# Altium PCB Drive_Foc.PcbDoc (part 1 of 3) (continued)
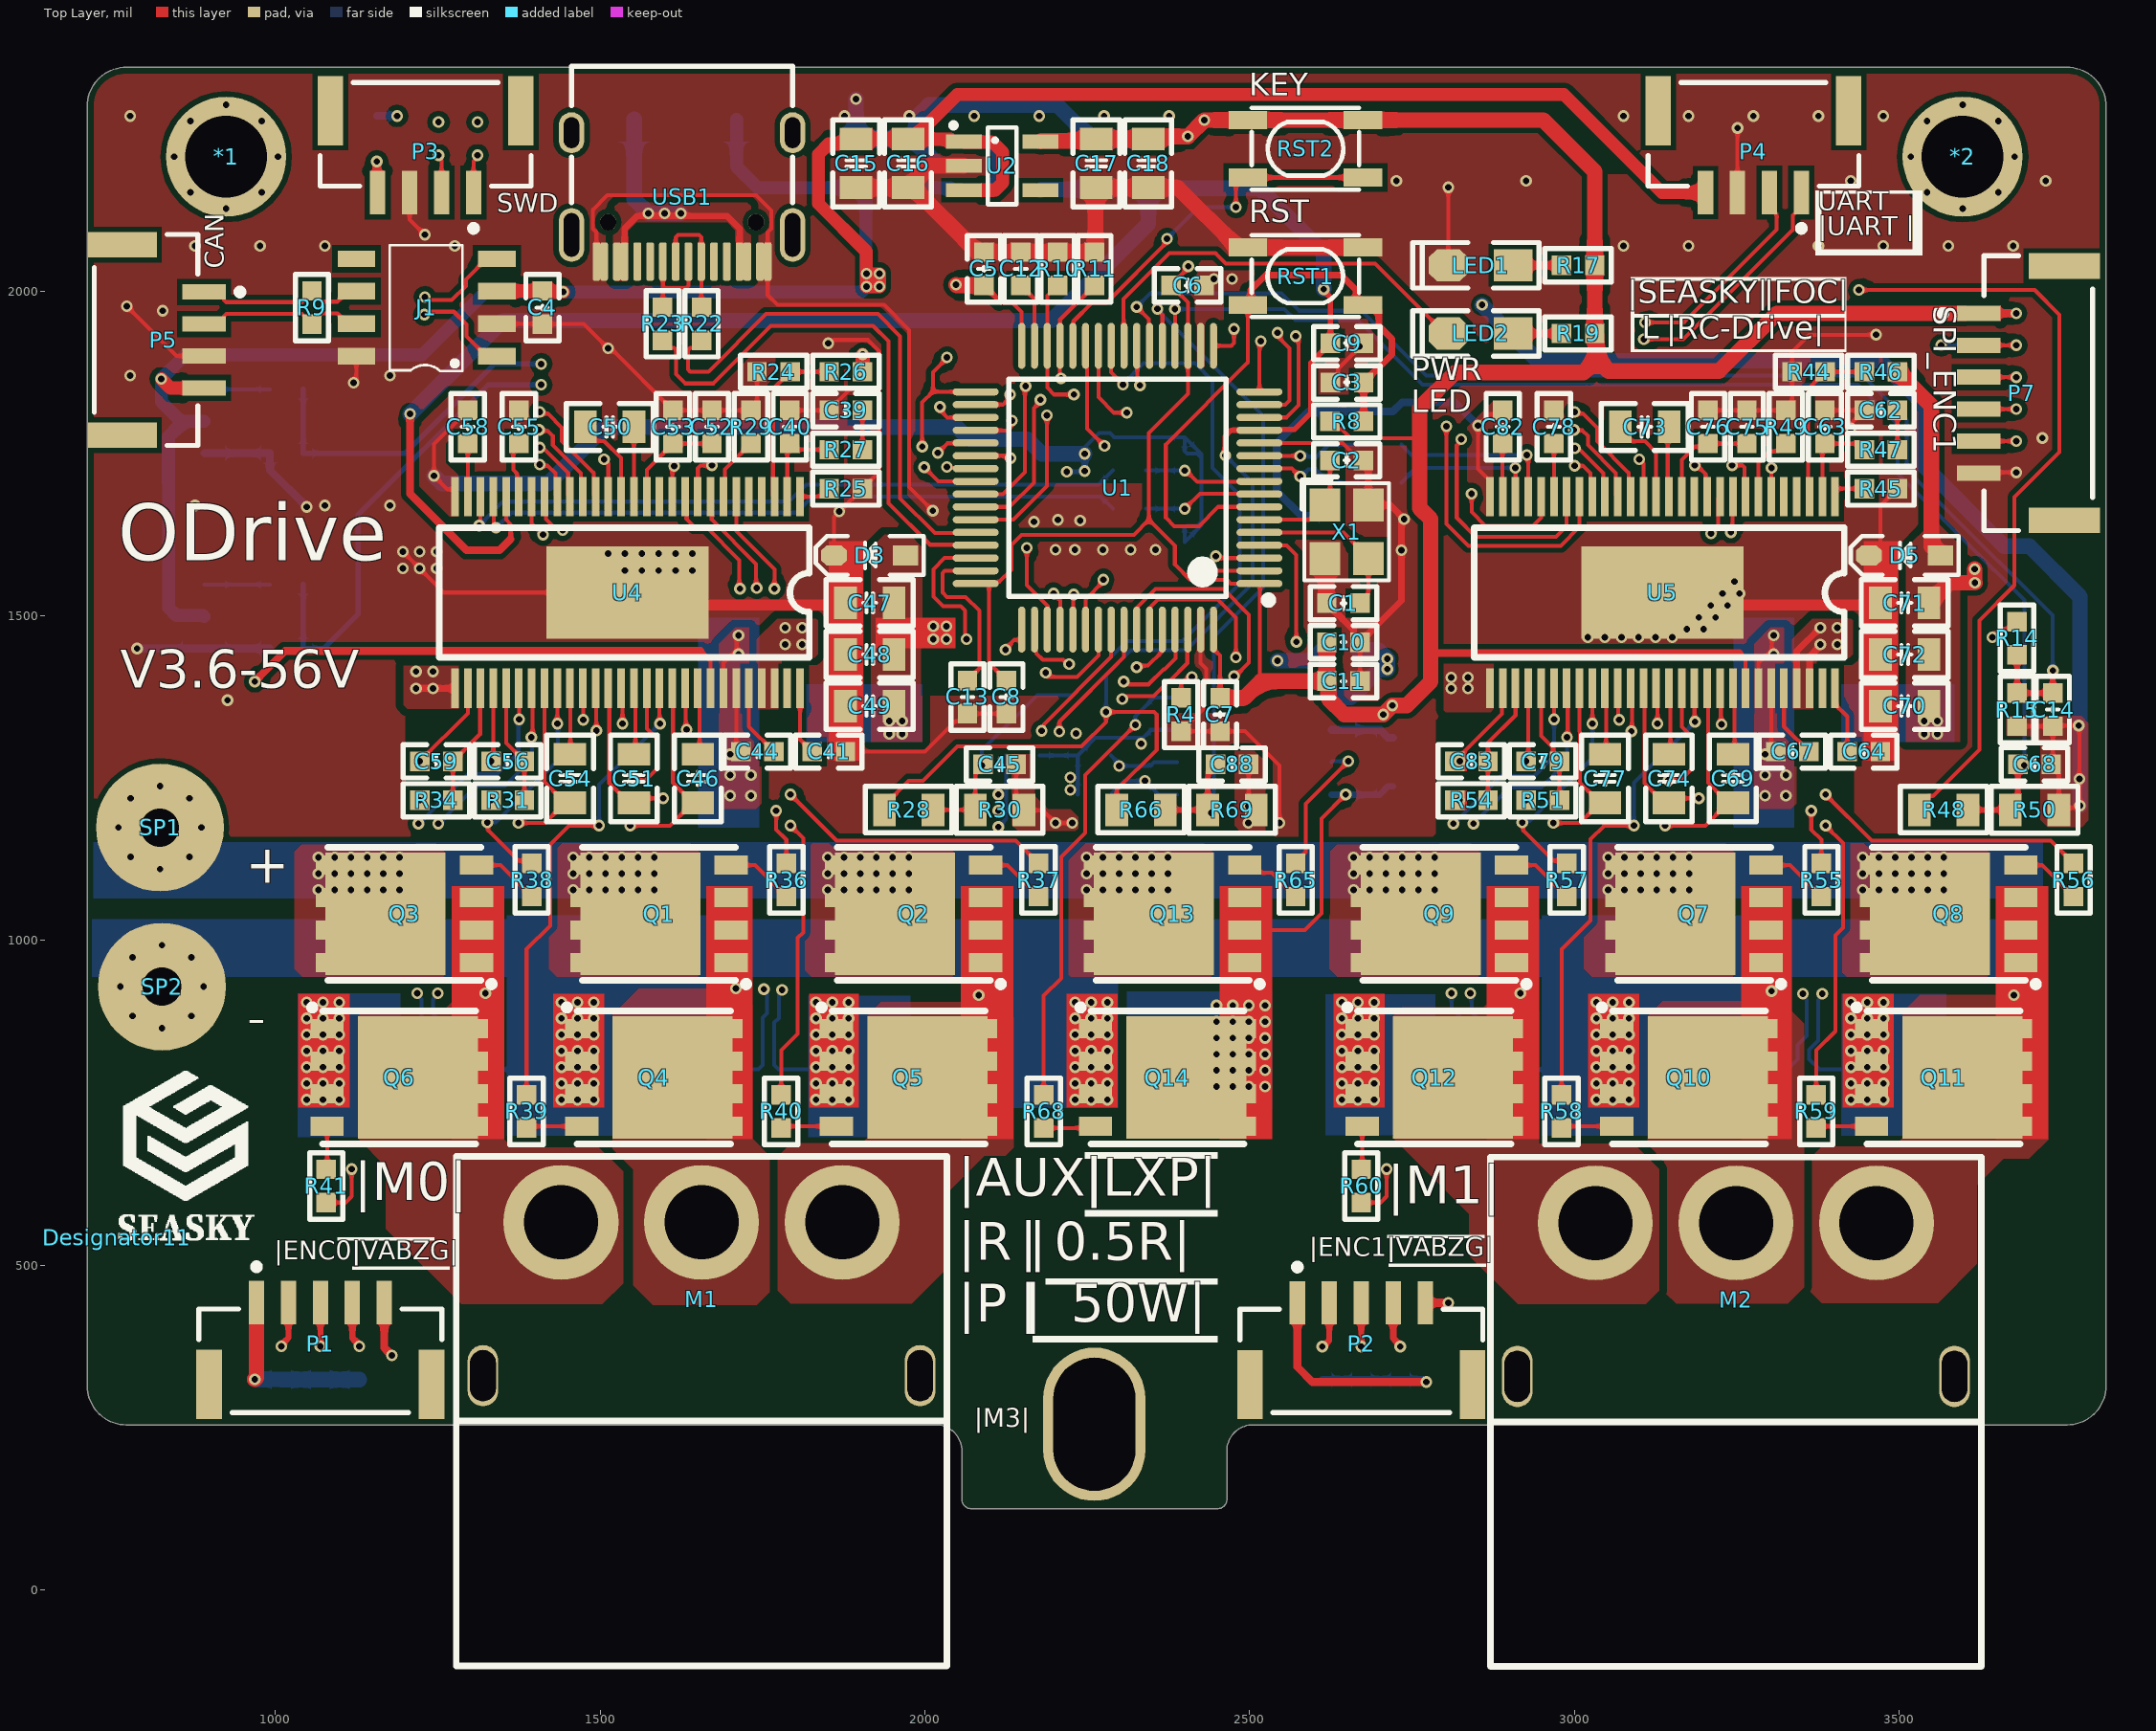
[diagram p0: Top Layer view]
## Board outline
2056.94,139.06 2056.94,214.06 ccw(c2016.94,214.06) 2016.94,254.06 770,254.06 cw(c770,314.06) 710,314.06 710,2285 cw(c770,2285) 770,2345 3759,2345 cw(c3759,2285) 3819,2285 3819,314.06 cw(c3759,314.06) 3759,254.06 2505.06,254.06 ccw(c2505.06,214.06) 2465.06,214.06 2465.06,139.06 cw(c2451,139.06) 2451,125 2071,125 cw(c2071,139.06)

## Design rules (kind name [scope] priority, off if disabled: settings)
BoardOutlineClearance [All] p1: gap=10 ignorepadtopadclearanceinfootprint=FALSE except(0: Arc-SplitContinuation Track-SplitContinuation SMDPad-SplitContinuation THPad-SplitContinuation Via-SplitContinuation Fill-SplitContinuation Poly-SplitContinuation Region-SplitContinuation Text-SplitContinuation)
Clearance Clearance_3 [All] p1: gap=8 ignorepadtopadclearanceinfootprint=TRUE except(0: Arc-Hole Track-Hole SMDPad-Hole THPad-Hole Via-Hole Fill-Hole Poly-Hole Region-Hole Text-Hole; 12: Fill-Fill Fill-Poly Fill-Region Poly-Poly Poly-Region Region-Region)
Clearance [All] p2: gap=8 ignorepadtopadclearanceinfootprint=TRUE except(0: Arc-Hole Track-Hole SMDPad-Hole THPad-Hole Via-Hole Fill-Hole Poly-Hole Region-Hole Text-Hole; 12: Fill-Fill Fill-Poly Fill-Region Poly-Poly Poly-Region Region-Region)
DiffPairsRouting USB_FSDiffPairsRouting [InDifferentialPair ('USB_FS_1')] p1: maxlimit=12 minlimit=12 mostfreqgap=12 toplayer_minwidth=6 toplayer_maxwidth=6 toplayer_prefwidth=6 midlayer1_minwidth=6 midlayer1_maxwidth=6 midlayer1_prefwidth=6 midlayer2_minwidth=6 midlayer2_maxwidth=6 midlayer2_prefwidth=6 bottomlayer_minwidth=6 bottomlayer_maxwidth=6 bottomlayer_prefwidth=6 maxuncoupledlength=500
DiffPairsRouting CANDiffPairsRouting [InDifferentialPair ('CAN_1')] p2: maxlimit=12 minlimit=12 mostfreqgap=12 toplayer_minwidth=6 toplayer_maxwidth=6 toplayer_prefwidth=6 midlayer1_minwidth=6 midlayer1_maxwidth=6 midlayer1_prefwidth=6 midlayer2_minwidth=6 midlayer2_maxwidth=6 midlayer2_prefwidth=6 bottomlayer_minwidth=6 bottomlayer_maxwidth=6 bottomlayer_prefwidth=6 maxuncoupledlength=500
DiffPairsRouting CAN_TDiffPairsRouting [InDifferentialPair ('CAN_T_1')] p3: maxlimit=12 minlimit=12 mostfreqgap=12 toplayer_minwidth=6 toplayer_maxwidth=6 toplayer_prefwidth=6 midlayer1_minwidth=6 midlayer1_maxwidth=6 midlayer1_prefwidth=6 midlayer2_minwidth=6 midlayer2_maxwidth=6 midlayer2_prefwidth=6 bottomlayer_minwidth=6 bottomlayer_maxwidth=6 bottomlayer_prefwidth=6 maxuncoupledlength=500
DiffPairsRouting DS1DiffPairsRouting [InDifferentialPair ('DS1')] p4: maxlimit=12 minlimit=12 mostfreqgap=12 toplayer_minwidth=6 toplayer_maxwidth=6 toplayer_prefwidth=6 midlayer1_minwidth=6 midlayer1_maxwidth=6 midlayer1_prefwidth=6 midlayer2_minwidth=6 midlayer2_maxwidth=6 midlayer2_prefwidth=6 bottomlayer_minwidth=6 bottomlayer_maxwidth=6 bottomlayer_prefwidth=6 maxuncoupledlength=500
DiffPairsRouting DS2DiffPairsRouting [InDifferentialPair ('DS2')] p5: maxlimit=12 minlimit=12 mostfreqgap=12 toplayer_minwidth=6 toplayer_maxwidth=6 toplayer_prefwidth=6 midlayer1_minwidth=6 midlayer1_maxwidth=6 midlayer1_prefwidth=6 midlayer2_minwidth=6 midlayer2_maxwidth=6 midlayer2_prefwidth=6 bottomlayer_minwidth=6 bottomlayer_maxwidth=6 bottomlayer_prefwidth=6 maxuncoupledlength=500
DiffPairsRouting M0_SODiffPairsRouting [InDifferentialPair ('M0_SO_1')] p6: maxlimit=12 minlimit=12 mostfreqgap=12 toplayer_minwidth=6 toplayer_maxwidth=6 toplayer_prefwidth=6 midlayer1_minwidth=6 midlayer1_maxwidth=6 midlayer1_prefwidth=6 midlayer2_minwidth=6 midlayer2_maxwidth=6 midlayer2_prefwidth=6 bottomlayer_minwidth=6 bottomlayer_maxwidth=6 bottomlayer_prefwidth=6 maxuncoupledlength=500
DiffPairsRouting M1_SODiffPairsRouting [InDifferentialPair ('M1_SO_1')] p7: maxlimit=12 minlimit=12 mostfreqgap=12 toplayer_minwidth=6 toplayer_maxwidth=6 toplayer_prefwidth=6 midlayer1_minwidth=6 midlayer1_maxwidth=6 midlayer1_prefwidth=6 midlayer2_minwidth=6 midlayer2_maxwidth=6 midlayer2_prefwidth=6 bottomlayer_minwidth=6 bottomlayer_maxwidth=6 bottomlayer_prefwidth=6 maxuncoupledlength=500
DiffPairsRouting S1DiffPairsRouting [InDifferentialPair ('S1')] p8: maxlimit=12 minlimit=12 mostfreqgap=12 toplayer_minwidth=6 toplayer_maxwidth=6 toplayer_prefwidth=6 midlayer1_minwidth=6 midlayer1_maxwidth=6 midlayer1_prefwidth=6 midlayer2_minwidth=6 midlayer2_maxwidth=6 midlayer2_prefwidth=6 bottomlayer_minwidth=6 bottomlayer_maxwidth=6 bottomlayer_prefwidth=6 maxuncoupledlength=500
DiffPairsRouting S2DiffPairsRouting [InDifferentialPair ('S2')] p9: maxlimit=12 minlimit=12 mostfreqgap=12 toplayer_minwidth=6 toplayer_maxwidth=6 toplayer_prefwidth=6 midlayer1_minwidth=6 midlayer1_maxwidth=6 midlayer1_prefwidth=6 midlayer2_minwidth=6 midlayer2_maxwidth=6 midlayer2_prefwidth=6 bottomlayer_minwidth=6 bottomlayer_maxwidth=6 bottomlayer_prefwidth=6 maxuncoupledlength=500
DiffPairsRouting USBDiffPairsRouting [InDifferentialPair ('USB_1')] p10: maxlimit=12 minlimit=12 mostfreqgap=12 toplayer_minwidth=6 toplayer_maxwidth=6 toplayer_prefwidth=6 midlayer1_minwidth=6 midlayer1_maxwidth=6 midlayer1_prefwidth=6 midlayer2_minwidth=6 midlayer2_maxwidth=6 midlayer2_prefwidth=6 bottomlayer_minwidth=6 bottomlayer_maxwidth=6 bottomlayer_prefwidth=6 maxuncoupledlength=500
DiffPairsRouting USB_FSDiffPairsRouting_1 [InDifferentialPair ('USB_FS_1')] p11: maxlimit=12 minlimit=12 mostfreqgap=12 toplayer_minwidth=6 toplayer_maxwidth=6 toplayer_prefwidth=6 midlayer1_minwidth=6 midlayer1_maxwidth=6 midlayer1_prefwidth=6 midlayer2_minwidth=6 midlayer2_maxwidth=6 midlayer2_prefwidth=6 bottomlayer_minwidth=6 bottomlayer_maxwidth=6 bottomlayer_prefwidth=6 maxuncoupledlength=500
DiffPairsRouting [All] p12: maxlimit=12 minlimit=12 mostfreqgap=12 toplayer_minwidth=6 toplayer_maxwidth=6 toplayer_prefwidth=6 midlayer1_minwidth=6 midlayer1_maxwidth=6 midlayer1_prefwidth=6 midlayer2_minwidth=6 midlayer2_maxwidth=6 midlayer2_prefwidth=6 bottomlayer_minwidth=6 bottomlayer_maxwidth=6 bottomlayer_prefwidth=6 maxuncoupledlength=500
MatchedLengths USB_FSMatchedLengths [InDifferentialPair ('USB_FS_1')] p1: tolerance=1000 checknetsindiffpair=FALSE checkdiffpairvsdiffpair=TRUE checkxsignals=TRUE checkothers=TRUE
MatchedLengths CANMatchedLengths [InDifferentialPair ('CAN_1')] p2: tolerance=1000 checknetsindiffpair=FALSE checkdiffpairvsdiffpair=TRUE checkxsignals=TRUE checkothers=TRUE
MatchedLengths CAN_TMatchedLengths [InDifferentialPair ('CAN_T_1')] p3: tolerance=1000 checknetsindiffpair=FALSE checkdiffpairvsdiffpair=TRUE checkxsignals=TRUE checkothers=TRUE
MatchedLengths DS1MatchedLengths [InDifferentialPair ('DS1')] p4: tolerance=1000 checknetsindiffpair=FALSE checkdiffpairvsdiffpair=TRUE checkxsignals=TRUE checkothers=TRUE
MatchedLengths DS2MatchedLengths [InDifferentialPair ('DS2')] p5: tolerance=1000 checknetsindiffpair=FALSE checkdiffpairvsdiffpair=TRUE checkxsignals=TRUE checkothers=TRUE
MatchedLengths M0_SOMatchedLengths [InDifferentialPair ('M0_SO_1')] p6: tolerance=1000 checknetsindiffpair=FALSE checkdiffpairvsdiffpair=TRUE checkxsignals=TRUE checkothers=TRUE
MatchedLengths M1_SOMatchedLengths [InDifferentialPair ('M1_SO_1')] p7: tolerance=1000 checknetsindiffpair=FALSE checkdiffpairvsdiffpair=TRUE checkxsignals=TRUE checkothers=TRUE
MatchedLengths S1MatchedLengths [InDifferentialPair ('S1')] p8: tolerance=1000 checknetsindiffpair=FALSE checkdiffpairvsdiffpair=TRUE checkxsignals=TRUE checkothers=TRUE
MatchedLengths S2MatchedLengths [InDifferentialPair ('S2')] p9: tolerance=1000 checknetsindiffpair=FALSE checkdiffpairvsdiffpair=TRUE checkxsignals=TRUE checkothers=TRUE
MatchedLengths USBMatchedLengths [InDifferentialPair ('USB_1')] p10: tolerance=1000 checknetsindiffpair=FALSE checkdiffpairvsdiffpair=TRUE checkxsignals=TRUE checkothers=TRUE
MatchedLengths USB_FSMatchedLengths_1 [InDifferentialPair ('USB_FS_1')] p11: tolerance=1000 checknetsindiffpair=FALSE checkdiffpairvsdiffpair=TRUE checkxsignals=TRUE checkothers=TRUE
MatchedLengths USB_FSMatchedLengths_2 [InDifferentialPair ('USB_FS_1')] p12: tolerance=1000 checknetsindiffpair=FALSE checkdiffpairvsdiffpair=TRUE checkxsignals=TRUE checkothers=TRUE
MinimumSolderMaskSliver MinimumSolderMaskSliver_1 [Not HasFootprint('CONNECT_PAD')] p1: minsoldermaskwidth=10
MinimumSolderMaskSliver [All] p2: minsoldermaskwidth=10
PlaneConnect [All] p1: planeconnectstyle=Direct reliefexpansion=20 reliefentries=4 reliefconductorwidth=10 reliefairgap=10
PolygonConnect [All] p1: connectstyle=Direct reliefconductorwidth=10 reliefentries=4 polygonreliefangle="90 Angle" airgapwidth=10
RoutingCorners [All] p1: cornerstyle=45-Degree minsetback=5 maxsetback=1000
RoutingVias [All] p1: holewidth=12 width=24 viastyle="Through Hole" minholewidth=12 minwidth=24 maxholewidth=24 maxwidth=48
SolderMaskExpansion [All] p1: expansion=4 istentingtop=FALSE
UnRoutedNet [All] p1: checkbadconnections=TRUE
Width [All] p1: maxlimit=1000 minlimit=6 preferedwidth=10
25 further rules are at their usual default settings.

## Classes and differential pairs
component class U_MotorCellTwo: C62 C63 C64 C65 C66 C67 C68 C69 C70 C71 C72 C73 C74 C75 C76 C77 C78 C79 C80 C81 C82 C83 C84 C85 D4 D5 L2 M2 Q7 Q8 Q9 Q10 Q11 Q12 R44 R45 R46 R47 R48 R49 R50 R51 R52 R53 R54 R55 R56 R57 R58 R59 R60 R61 R62 U5
component class U_MotorCellOne: C39 C40 C41 C42 C43 C44 C45 C46 C47 C48 C49 C50 C51 C52 C53 C54 C55 C56 C57 C58 C59 C60 C61 D2 D3 L1 M1 Q1 Q2 Q3 Q4 Q5 Q6 R24 R25 R26 R27 R28 R29 R30 R31 R32 R33 R34 R35 R36 R37 R38 R39 R40 R41 R42 R43 ss U4
component class U_AuxHalfH: C86 C87 C88 Q13 Q14 R63 R64 R65 R66 R67 R68 R69 U6
component class CoreCtrl: *1 *2 C1 C2 C3 C4 C5 C6 C7 C8 C9 C10 C11 C12 C13 C14 C15 C16 C17 C18 C19 C20 C21 C22 C23 C24 C25 C26 C27 C28 C29 C30 C31 C32 C33 C34 C35 C36 C37 C38 D1 F1 J1 LED1 LED2 P1 P2 P3 P4 P5 P6 P7 P8 P9 R1 R2 R3 R4 R5 R6 R7 R8 R9 R10 R11 R12 R13 R14 R15 R16 R17 R18 R19 R20 R21 R22 R23 RST1 RST2 SP1 SP2 TVS1 U1 U2 U3 USB1 X1
differential pair USB_FS_1: +USB_FS_1_P -USB_FS_1_N
differential pair USB_1: +USB_1_P -USB_1_N
differential pair M1_SO_1: +M1_SO_1_P -M1_SO_1_N
differential pair M0_SO_1: +M0_SO_1_P -M0_SO_1_N
differential pair CAN_T_1: +CAN_T_1_P -CAN_T_1_N
differential pair CAN_1: +CAN_1_P -CAN_1_N

## Components (designator, comment, footprint, x,y, rotation, side; value= is the part's Value field where it differs from the comment)
*1 "PAD3.2" PAD3.2 923.8,2207.2 r0 top
*2 "PAD3.2" PAD3.2 3598.2,2207.2 r0 top
C1 "22pF" "C 0603_L" 2644.55,1519.56 r180 top
C2 "22pF" "C 0603_L" 2649.55,1739.56 r0 top
C3 "0.1uF" "C 0603_L" 2650.14,1859.56 r0 top
C4 "0.1uF" "C 0603_L" 1411,1975 r270 top
C5 "0.1uF" "C 0603_L" 2091,2034.55 r270 top
C6 "0.1uF" "C 0603_L" 2404.55,2008.96 r180 top
C7 "0.1uF" "C 0603_L" 2454.55,1348 r90 top
C8 "0.1uF" "C 0603_L" 2125.44,1374.99 r90 top
C9 "0.1uF" "C 0603_L" 2650.13,1920 r180 top
C10 "0.1uF" "C 0603_L" 2644.55,1459.56 r180 top
C11 "2.2uF" "C 0603_L" 2644.55,1399.56 r180 top
C12 "2.2uF" "C 0603_L" 2147.66,2034.56 r90 top
C13 "2.2uF" "C 0603_L" 2065.44,1374.99 r270 top
C14 "330pF" "C 0603_L" 3737,1355.59 r270 top
C15 "10uF" "C 0805_L" 1894,2197 r90 top
C16 "0.1uF" "C 0805_L" 1974,2197 r90 top
C17 "10uF" "C 0805_L" 2264,2197 r90 top
C18 "0.1uF" "C 0805_L" 2344,2197 r90 top
C19 "0.1uF" "C 0603_L" 1017,1449.78 r0 bottom
C20 "4.7uF" "C 1210_L" 1113.81,1056 r90 bottom
C21 "4.7uF" "C 1210_L" 1505.96,1056 r90 bottom
C22 "4.7uF" "C 1210_L" 1898.11,1056 r90 bottom
C23 "4.7uF" "C 1210_L" 2302.96,1056 r90 bottom
C24 "4.7uF" "C 1210_L" 2700.81,1056 r90 bottom
C25 "4.7uF" "C 1210_L" 3092.96,1056 r90 bottom
C26 "4.7uF" "C 1210_L" 3485.1,1056 r90 bottom
C27 "4.7uF" "C 1210_L" 1247,1056 r90 bottom
C28 "4.7uF" "C 1210_L" 3614,1056 r90 bottom
C29 "4.7uF" "C 1210_L" 3219,1056 r90 bottom
C30 "4.7uF" "C 1210_L" 2829,1056 r90 bottom
C31 "4.7uF" "C 1210_L" 2429,1056 r90 bottom
C32 "4.7uF" "C 1210_L" 2027,1056 r90 bottom
C33 "4.7uF" "C 1210_L" 1637,1056 r90 bottom
C34 "10uF" "C 0805_L" 1894,2197 r270 bottom
C35 "0.1uF" "C 0805_L" 1974,2197 r270 bottom
C36 "10uF" "C 0805_L" 2344,2196 r270 bottom
C37 "0.1uF" "C 0805_L" 2264,2197 r270 bottom
C38 "0.1uF" "C 0603_L" 1017,1750.57 r0 bottom
C39 "6.8nF" "C 0603_L" 1878.18,1816.6 r0 top
C40 "120pF" "C 0603_L" 1792,1791 r270 top
C41 "15nF" "C 0603_L" 1852,1291 r180 top
C42 "0.1uF" "C 1206_L" 1212,1525.02 r90 bottom
C43 "4.7uF" "C 1210_L" 1327,1526 r90 bottom
C44 "0.1uF" "C 0603_L" 1742,1291.01 r0 top
C45 "2.2uF" "C 0603_L" 2114.93,1271.26 r0 top
C46 "220nF" "C 0805_L" 1650.27,1249.66 r270 top
C47 "10uF" "C 0805_L" 1915,1520.06 r0 top
C48 "2.2uF" "C 0805_L" 1915,1440.53 r0 top
C49 "0.1uF" "C 0805_L" 1915,1361 r0 top
C50 "22nF" "C 0805_L" 1514.6,1791 r180 top
C51 "220nF" "C 0805_L" 1551.84,1249.66 r270 top
C52 "2.2uF" "C 0603_L" 1672,1791 r270 top
C53 "2.2uF" "C 0603_L" 1612,1791 r270 top
C54 "220nF" "C 0805_L" 1453.42,1249.66 r270 top
C55 "2.2uF" "C 0603_L" 1374.68,1791 r270 top
C56 "2.2nF" "C 0603_L" 1357.59,1276.01 r0 top
C57 "2.2nF" "C 0603_L" 2400,1639.41 r90 bottom
C58 "2.2uF" "C 0603_L" 1295.94,1791 r270 top
C59 "2.2nF" "C 0603_L" 1247.59,1276.01 r0 top
C60 "0.1uF" "C 1206_L" 1812,1526.98 r270 bottom
C61 "4.7uF" "C 1210_L" 1932,1526 r270 bottom
C62 "6.8nF" "C 0603_L" 3472.18,1816.6 r0 top
C63 "120pF" "C 0603_L" 3386,1791 r270 top
C64 "15nF" "C 0603_L" 3446,1291 r180 top
C65 "0.1uF" "C 1206_L" 3406,1525.02 r90 bottom
C66 "4.7uF" "C 1210_L" 3526,1526 r90 bottom
C67 "0.1uF" "C 0603_L" 3336,1291.01 r0 top
C68 "2.2uF" "C 0603_L" 3708.93,1271.26 r0 top
C69 "220nF" "C 0805_L" 3244.27,1249.66 r270 top
C70 "10uF" "C 0805_L" 3509,1361 r0 top
C71 "2.2uF" "C 0805_L" 3509,1520.06 r0 top
C72 "0.1uF" "C 0805_L" 3509,1440.53 r0 top
C73 "22nF" "C 0805_L" 3108.6,1791 r180 top
C74 "220nF" "C 0805_L" 3145.84,1249.66 r270 top
C75 "2.2uF" "C 0603_L" 3266,1791 r270 top
C76 "2.2uF" "C 0603_L" 3206,1791 r270 top
C77 "220nF" "C 0805_L" 3047.42,1249.66 r270 top
C78 "2.2uF" "C 0603_L" 2968.68,1791 r270 top
C79 "2.2nF" "C 0603_L" 2951.59,1276.01 r0 top
C80 "2.2nF" "C 0603_L" 2622,1789.25 r270 bottom
C81 "2.2nF" "C 0603_L" 2622.01,1679.74 r90 bottom
C82 "2.2uF" "C 0603_L" 2889.94,1791 r270 top
C83 "2.2nF" "C 0603_L" 2841.59,1276.01 r0 top
C84 "0.1uF" "C 1206_L" 2806,1526.98 r270 bottom
C85 "4.7uF" "C 1210_L" 2921,1526 r270 bottom
C86 "220nF" "C 0805_L" 2721,1275 r90 bottom
C87 "2.2uF" "C 0603_L" 2639.55,1450 r180 bottom
C88 "2.2uF" "C 0603_L" 2473,1271.26 r0 top
D1 "B340A-13-F" SMA_L4.4-W2.6-LS5.0-RD 1631,2265 r180 bottom
D2 "B340A-13-F" SMA_L4.4-W2.6-LS5.0-RD 1702,1526 r90 bottom
D3 "PESD5V0S1BA" SOD-323 1915,1593.09 r180 top
D4 "B340A-13-F" SMA_L4.4-W2.6-LS5.0-RD 3296,1526 r90 bottom
D5 "PESD12VL1BA" SOD-323 3509,1593.09 r180 top
Designator11 "Comment" SEASKY3 756,543 r0 top
F1 "自恢复保险丝" "FU 0603" 1156,2235 r90 bottom
J1 "TJA1050" SOIC-8_150mil 1341,1900 r180 top
L1 "22uH" CD53 1780.74,1281 r0 bottom
L2 "22uH" CD53 3374.74,1281 r0 bottom
LED1 "红色" "LED 0805G" 2856,2040 r180 top
LED2 "红色" "LED 0805G" 2856,1935 r180 top
M1 "MR60-PW" MR60-PW 1872.54,566 r180 top
M2 "MR60-PW" MR60-PW 3465.54,565 r180 top
P1 "ENC0" JST-SM05B-GHS-TB_V 1069,379.41 r0 top locked
P2 "ENC1" JST-SM05B-GHS-TB_V 2672.06,379.06 r0 top
P3 "SWD" JST-SM04B-GHS-TB_V 1231,2215 r180 top locked
P4 "UART" JST-SM04B-GHS-TB_V 3276,2215 r180 top
P5 "CAN" JST-SM04B-GHS-TB_V 827,1925 r270 top
P6 "SPI_ENC0" JST-SM06B-GHS-TB_V 3686.05,1843 r270 bottom
P7 "SPI_ENC1" JST-BM06B-GHS-TBT_V 3689,1843 r270 top
P8 "PPM0" JST-SM03B-GHS-TB_V 827,1499 r90 bottom
P9 "PPM1" JST-SM03B-GHS-TB_V 827,1799.79 r90 bottom
Q1 "NVMFS5C604NLAFT1G" PG-TDSON-8_L5.0-W6.0-P1.27-LS6.2-BL-EP 1590.56,1041 r90 top
Q2 "NVMFS5C604NLAFT1G" PG-TDSON-8_L5.0-W6.0-P1.27-LS6.2-BL-EP 1982.7,1041 r90 top
Q3 "NVMFS5C604NLAFT1G" PG-TDSON-8_L5.0-W6.0-P1.27-LS6.2-BL-EP 1198.41,1041 r90 top
Q4 "NVMFS5C604NLAFT1G" PG-TDSON-8_L5.0-W6.0-P1.27-LS6.2-BL-EP 1582.56,789 r270 top
Q5 "NVMFS5C604NLAFT1G" PG-TDSON-8_L5.0-W6.0-P1.27-LS6.2-BL-EP 1974.7,789 r270 top
Q6 "NVMFS5C604NLAFT1G" PG-TDSON-8_L5.0-W6.0-P1.27-LS6.2-BL-EP 1190.41,789 r270 top
Q7 "NVMFS5C604NLAFT1G" PG-TDSON-8_L5.0-W6.0-P1.27-LS6.2-BL-EP 3184.56,1041 r90 top
Q8 "NVMFS5C604NLAFT1G" PG-TDSON-8_L5.0-W6.0-P1.27-LS6.2-BL-EP 3576.7,1041 r90 top
Q9 "NVMFS5C604NLAFT1G" PG-TDSON-8_L5.0-W6.0-P1.27-LS6.2-BL-EP 2792.41,1041 r90 top
Q10 "NVMFS5C604NLAFT1G" PG-TDSON-8_L5.0-W6.0-P1.27-LS6.2-BL-EP 3176.56,789 r270 top
Q11 "NVMFS5C604NLAFT1G" PG-TDSON-8_L5.0-W6.0-P1.27-LS6.2-BL-EP 3568.7,789 r270 top
Q12 "NVMFS5C604NLAFT1G" PG-TDSON-8_L5.0-W6.0-P1.27-LS6.2-BL-EP 2784.41,789 r270 top
Q13 "NVMFS5C604NLAFT1G" PG-TDSON-8_L5.0-W6.0-P1.27-LS6.2-BL-EP 2381.56,1041 r90 top
Q14 "NVMFS5C604NLAFT1G" PG-TDSON-8_L5.0-W6.0-P1.27-LS6.2-BL-EP 2373.56,789 r270 top
R1 "3.3K" "R 0603_L" 1009,349.41 r90 bottom
R2 "3.3K" "R 0603_L" 1069,349.41 r90 bottom
R3 "3.3K" "R 0603_L" 1129,349.41 r90 bottom
R4 "10K" "R 0603_L" 2394.55,1347.99 r90 top
R5 "3.3K" "R 0603_L" 2612,349.06 r90 bottom
R6 "3.3K" "R 0603_L" 2672.06,349.06 r90 bottom
R7 "3.3K" "R 0603_L" 2732,349.06 r90 bottom
R8 "10K" "R 0603_L" 2649.55,1799.56 r0 top
R9 "120R" "R 0603_L" 1056,1975 r90 top
R10 "3.3K" "R 0603_L" 2204.33,2034.56 r90 top
R11 "3.3K" "R 0603_L" 2261,2034.56 r90 top
R12 "0R" "R 0603_L" 1311,2235 r90 bottom
R13 "0R" "R 0603_L" 1251,2235 r90 bottom
R14 "18K" "R 0603_L" 3682,1465.59 r270 top
R15 "1K" "R 0603_L" 3682,1355.59 r270 top
R16 "0R" "R 0603_L" 2151,1225 r180 bottom
R17 "10K" "R 0603_L" 3006,2040 r180 top
R18 "0R" "R 0603_L" 2151,1285 r180 bottom
R19 "10K" "R 0603_L" 3006,1935 r180 top
R20 "10R" "R 0603_L" 1016.99,1548.22 r180 bottom
R21 "10R" "R 0603_L" 1016.99,1849 r180 bottom
R22 "22R" "R 0603_L" 1656,1950 r90 top
R23 "22R" "R 0603_L" 1596,1950 r90 top
R24 "10K" "R 0603_L" 1767,1876 r180 top
R25 "220K" "R 0603_L" 1878.18,1696 r0 top
R26 "53.6K" "R 0603_L" 1878.17,1876 r180 top
R27 "15K" "R 0603_L" 1878.18,1756 r0 top
R28 "NTC 10K" "R 0805-HP_L" 1974.93,1201.26 r180 top
R29 "10K" "R 0603_L" 1731.99,1791.01 r90 top
R30 "3.3K" "R 0805_L" 2114.93,1201.26 r180 top
R31 "100R" "R 0603_L" 1357.58,1216 r180 top
R32 "4.7R" "R 0603_L" 2315,1665 r180 bottom
R33 "4.7R" "R 0603_L" 2315,1724 r180 bottom
R34 "100R" "R 0603_L" 1247.58,1216 r180 top
R35 "2.2nF" "C 0603_L" 2400,1749.59 r270 bottom
R36 "2.2R" "R 0603_L" 1786.63,1093.18 r270 top
R37 "2.2R" "R 0603_L" 2174.99,1093.18 r270 top
R38 "2.2R" "R 0603_L" 1394.48,1093.18 r270 top
R39 "2.2R" "R 0603_L" 1386.48,736.82 r270 top
R40 "2.2R" "R 0603_L" 1778.63,736.82 r270 top
R41 "2.2R" "R 0603_L" 1078,622 r90 top
R42 "0.5mR" R3920 1759,801.36 r0 bottom
R43 "0.5mR" R3920 1274.71,801.36 r180 bottom
R44 "10K" "R 0603_L" 3361,1876 r180 top
R45 "220K" "R 0603_L" 3472.18,1696 r0 top
R46 "140K" "R 0603_L" 3472.17,1876 r180 top
R47 "15K" "R 0603_L" 3472.18,1756 r0 top
R48 "NTC 10K" "R 0805-HP_L" 3568.93,1201.26 r180 top
R49 "10K" "R 0603_L" 3325.99,1791.01 r90 top
R50 "3.3K" "R 0805_L" 3708.93,1201.26 r180 top
R51 "100R" "R 0603_L" 2951.58,1216 r180 top
R52 "4.7R" "R 0603_L" 2708,1763.66 r0 bottom
R53 "4.7R" "R 0603_L" 2708,1705.33 r0 bottom
R54 "100R" "R 0603_L" 2841.58,1216 r180 top
R55 "2.2R" "R 0603_L" 3380.63,1093.18 r270 top
R56 "2.2R" "R 0603_L" 3768.99,1093.18 r270 top
R57 "2.2R" "R 0603_L" 2988.48,1093.18 r270 top
R58 "2.2R" "R 0603_L" 2980.48,736.82 r270 top
R59 "2.2R" "R 0603_L" 3372.63,736.82 r270 top
R60 "2.2R" "R 0603_L" 2672,622 r90 top
R61 "0.5mR" R3920 3353,801.36 r0 bottom
R62 "0.5mR" R3920 2868.71,801.36 r180 bottom
R63 "10K" "R 0603_L" 2261,1225 r0 bottom
R64 "10K" "R 0603_L" 2261,1285 r0 bottom
R65 "2.2R" "R 0603_L" 2571,1093.18 r270 top
R66 "NTC 10K" "R 0805-HP_L" 2333,1201.26 r180 top
R67 "ODRive0R5" ODRIVE_0R5 2161,847.91 r90 bottom
R68 "2.2R" "R 0603_L" 2183,736.82 r270 top
R69 "3.3K" "R 0805_L" 2473,1201.26 r180 top
RST1 "KEY_M" SMD-3.2*4.2 2586,2023.24 r180 top
RST2 "KEY_M" SMD-3.2*4.2 2586,2219.44 r0 top
SP1 "M3" PAD1.5 822,1174 r0 top
SP2 "M3" PAD1.5 825,929 r0 top
TVS1 "70V" SMA(DO-214AC) 988,1056 r270 bottom
U1 "STM32F405RGT6_LQFP64" LQFP-64_10X10X05P 2296.7,1697.41 r180 top locked
U2 "RT9013-33GB" SOT23-5M 2119,2193.08 r270 top
U3 "RT9013-33GB" SOT23-5M 2119,2193 r90 bottom
U4 "DRV8301DCAR" HTSSOP-56_L14.0-W6.0-P0.50-LS8.0-BL 1542,1536 r180 top
U5 "DRV8301DCAR" HTSSOP-56_L14.0-W6.0-P0.50-LS8.0-BL 3136,1536.01 r180 top
U6 "UCC27211DDAR" SO-8_EP 2507.31,1299.5 r270 bottom
USB1 "USB_Type-C" Type-C-TOP 1626,2145 r90 top
X1 "8MHz" "OSC 3225-4P" 2649.55,1629.56 r270 top

## Footprints (in the part's own frame and the unit in brackets; to place one, negate y for a bottom-side part, rotate by r counter-clockwise, add the part's x,y. Pads: shape width x height; smd on the part's side, far side on the other; paste and mask are expansions set on the pad)
"C 0603_L" [mil] "无极性贴片电容                                       淘宝ID:黄晶宝石"
  rect 30x30 smd: 1(-25.59,0) 2(25.59,0)
  silkscreen extent -51,-26 51,26, body extent -31,-16 31,16, height 32
"C 0805_L" [mil] "无极性贴片电容                                        淘宝ID:黄晶宝石"
  rect 35x50 smd: 1(-37.41,0) 2(37.4,0)
  silkscreen extent -67,-36 67,36, body extent -39,-24 39,24, height 20
"C 1206_L" [mil] "无极性贴片电容"
  rect 55x62 smd: 1(-55.12,0) 2(57.09,0)
  silkscreen extent -96,-44 98,44, body extent -63,-32 63,32, height 48
"C 1210_L" [mil] "无极性贴片电容                                淘宝ID:黄晶宝石"
  rect 60x100 smd: 1(-57.09,0) 2(57.09,0)
  silkscreen extent -100,-63 100,63, body extent -63,-51 63,51, height 60
CD53 [mm] "5.8*5.2*3.5mm（长宽高）        淘宝ID:黄晶宝石"
  rect 2.15x5.5 smd: 1(-2,0) 2(2,0)
  silkscreen extent -3.3,-3.05 3.3,3.05, body extent -2.87,-2.5 2.87,2.5, height 3.6
"FU 0603" [mil] "贴片保险丝"
  rect 35x35 smd: 1(-35,0) 2(35,0)
  silkscreen extent -65,-25 65,25, body extent -31,-16 31,16, height 20
HTSSOP-56_L14.0-W6.0-P0.50-LS8.0-BL [mm]
  rect 0.3x1.55 smd: 1(-6.75,-3.75) 2(-6.25,-3.75) 3(-5.75,-3.75) 4(-5.25,-3.75) 5(-4.75,-3.75) 6(-4.25,-3.75) 7(-3.75,-3.75) 8(-3.25,-3.75) 9(-2.75,-3.75) 10(-2.25,-3.75) 11(-1.75,-3.75) 12(-1.25,-3.75) 13(-0.75,-3.75) 14(-0.25,-3.75) 15(0.25,-3.75) 16(0.75,-3.75) 17(1.25,-3.75) 18(1.75,-3.75) 19(2.25,-3.75) 20(2.75,-3.75) 21(3.25,-3.75) 22(3.75,-3.75) 23(4.25,-3.75) 24(4.75,-3.75) 25(5.25,-3.75) 26(5.75,-3.75) 27(6.25,-3.75) 28(6.75,-3.75) 29(6.75,3.75) 30(6.25,3.75) 31(5.75,3.75) 32(5.25,3.75) 33(4.75,3.75) 34(4.25,3.75) 35(3.75,3.75) 36(3.25,3.75) 37(2.75,3.75) 38(2.25,3.75) 39(1.75,3.75) 40(1.25,3.75) 41(0.75,3.75) 42(0.25,3.75) 43(-0.25,3.75) 44(-0.75,3.75) 45(-1.25,3.75) 46(-1.75,3.75) 47(-2.25,3.75) 48(-2.75,3.75) 49(-3.25,3.75) 50(-3.75,3.75) 51(-4.25,3.75) 52(-4.75,3.75) 53(-5.25,3.75) 54(-5.75,3.75) 55(-6.25,3.75) 56(-6.75,3.75)
  rect 6.35x3.61 smd: 57(0,0)
  silkscreen extent -7.11,-2.54 7.37,2.54, body extent -7,-4.08 7,4.12, height 1.1
JST-BM06B-GHS-TBT_V [mm] "Connector, 6-Leads, Body 10.75x4.25mm, Pitch 1.25mm"
  rect 0.6x1.7 smd: 1(-3.125,-1.675) 2(-1.875,-1.675) 3(-0.625,-1.675) 4(0.625,-1.675) 5(1.875,-1.675) 6(3.125,-1.675)
  rect 1x2.8 smd: MP1(-4.975,1.675) MP2(4.975,1.675)
  silkscreen extent -5.38,-3.2 5.38,2.78, body extent -5.38,-2.17 5.38,2.78, height 4.2
JST-SM03B-GHS-TB_V [mm] "SMD, 3-Leads, Body 7.00x4.05mm, Pitch 1.25mm"
  rect 0.6x1.7 smd: 1(-1.25,1.6) 2(0,1.6) 3(1.25,1.6)
  rect 1x2.7 smd: MP1(-3.1,-1.6) MP2(3.1,-1.6)
  silkscreen extent -3.5,-2.7 3.5,3.12, body extent -3.5,-2.7 3.5,2.15, height 4.35
JST-SM04B-GHS-TB_V [mm] "SMD, 4-Leads, Body 8.25x4.05mm, Pitch 1.25mm"
  rect 0.6x1.7 smd: 1(-1.875,1.6) 2(-0.625,1.6) 3(0.625,1.6) 4(1.875,1.6)
  rect 1x2.7 smd: MP1(-3.725,-1.6) MP2(3.725,-1.6)
  silkscreen extent -4.12,-2.7 4.13,3.12, body extent -4.12,-2.7 4.13,2.15, height 4.35
JST-SM05B-GHS-TB_V [mm] "SMD, 5-Leads, Body 9.50x4.05mm, Pitch 1.25mm"
  rect 0.6x1.7 smd: 1(-2.5,1.6) 2(-1.25,1.6) 3(0,1.6) 4(1.25,1.6) 5(2.5,1.6)
  rect 1x2.7 smd: MP1(-4.35,-1.6) MP2(4.35,-1.6)
  silkscreen extent -4.75,-2.7 4.75,3.12, body extent -4.75,-2.7 4.75,2.15, height 4.35
JST-SM06B-GHS-TB_V [mm] "SMD, 6-Leads, Body 10.75x4.05mm, Pitch 1.25mm"
  rect 0.6x1.7 smd: 1(-3.125,1.6) 2(-1.875,1.6) 3(-0.625,1.6) 4(0.625,1.6) 5(1.875,1.6) 6(3.125,1.6)
  rect 1x2.7 smd: MP1(-4.975,-1.6) MP2(4.975,-1.6)
  silkscreen extent -5.38,-2.7 5.38,3.12, body extent -5.37,-2.7 5.38,2.15, height 4.35
"LED 0805G" [mil] "绿色0805LED                              淘宝ID:黄晶宝石"
  rect 60x50 smd: 1(-50,0)
  oct 60x50 smd: 2(50,0)
  silkscreen extent -90,-35 105,35, body extent -39,-25 39,25, height 26
LQFP-64_10X10X05P [mil]
  oval 70.7x11.02 smd: 1(-218.5,147.64) 2(-218.5,127.95) 3(-218.5,108.27) 4(-218.5,88.58) 5(-218.5,68.9) 6(-218.5,49.21) 7(-218.5,29.53) 8(-218.5,9.84) 9(-218.5,-9.84) 10(-218.5,-29.53) 11(-218.5,-49.21) 12(-218.5,-68.9) 13(-218.5,-88.58) 14(-218.5,-108.27) 15(-218.5,-127.95) 16(-218.5,-147.64) 33(218.5,-147.64) 34(218.5,-127.95) 35(218.5,-108.27) 36(218.5,-88.58) 37(218.5,-68.9) 38(218.5,-49.21) 39(218.5,-29.53) 40(218.5,-9.84) 41(218.5,9.84) 42(218.5,29.53) 43(218.5,49.21) 44(218.5,68.9) 45(218.5,88.58) 46(218.5,108.27) 47(218.5,127.95) 48(218.5,147.64)
  oval 11.02x70.7 smd: 17(-147.64,-218.5) 18(-127.95,-218.5) 19(-108.27,-218.5) 20(-88.58,-218.5) 21(-68.9,-218.5) 22(-49.21,-218.5) 23(-29.53,-218.5) 24(-9.84,-218.5) 25(9.84,-218.5) 26(29.53,-218.5) 27(49.21,-218.5) 28(68.9,-218.5) 29(88.58,-218.5) 30(108.27,-218.5) 31(127.95,-218.5) 32(147.64,-218.5) 49(147.64,218.5) 50(127.95,218.5) 51(108.27,218.5) 52(88.58,218.5) 53(68.9,218.5) 54(49.21,218.5) 55(29.53,218.5) 56(9.84,218.5) 57(-9.84,218.5) 58(-29.53,218.5) 59(-49.21,218.5) 60(-68.9,218.5) 61(-88.58,218.5) 62(-108.27,218.5) 63(-127.95,218.5) 64(-147.64,218.5)
  silkscreen extent -238,-167 167,179, body extent -232,-232 232,232, height 61
MR60-PW [mm]
  round 4.5 hole 2.9: 1(0,0) 2(5.5,0) 3(11,0)
  rrect100% 1.2x2.4 hole 2 slot 1 at 0 deg: PAD0(-3.05,6) PAD1(14.05,6)
  silkscreen extent -4.1,-2.58 15.1,17.35, body extent -4.12,-2.05 15.07,17.45, height 8.45
ODRIVE_0R5 [mm]
  rect 3.5x2.54 smd: 1(0,0) 2(0,5.08)
  oval 6x4 hole 3.2 slot 5.2 at 0 deg: PAD(-15.06,2.54)
  body extent -18.35,-2.68 1.7,7.73, height 3.18
"OSC 3225-4P" [mm] "3.2*2.5*0.7mm(长宽高)                         淘宝ID:黄晶宝石"
  rect 1.3x1.2 smd: 1(-1.05,-0.85) 2(1.05,-0.85) 3(1.05,0.85) 4(-1.05,0.85)
  silkscreen extent -2.03,-1.75 1.91,1.65, body extent -1.6,-1.25 1.6,1.25, height 0.7
PAD1.5 [mm]
  round 5 / inner round 1.5 / far side round 5 hole 1.5: 0(0,0)
PAD3.2 [mm]
  round 4.7 / inner round 1.524 / far side round 4.7 hole 3.2: 0(0,0)
PG-TDSON-8_L5.0-W6.0-P1.27-LS6.2-BL-EP [mil]
  rect 29.5x51.2 smd: 1(-75,-111) 2(-25,-111) 3(25,-111) 4(75,-111) 5(75,111) 6(25,111) 7(-25,111) 8(-75,111)
  rect 189x185 smd: 8(0,29)
  silkscreen extent -112,-138 102,118, body extent -105,-121 106,121, height 39
R3920 [mm]
  rect 3.5x5.2 smd: 1(-3.81,0) 2(3.81,0)
  silkscreen extent -6.1,-3.05 6.1,3.05, body extent -5.22,-2.52 5.28,2.48, height 1.39
"R 0603_L" [mil] "1/10W贴片电阻                 淘宝ID:黄晶宝石"
  rect 30x30 smd: 1(-25.59,0) 2(25.59,0)
  silkscreen extent -51,-26 51,26, body extent -31,-16 31,16, height 16
"R 0805-HP_L" [mil] "1/8W高精度贴片电阻                        淘宝ID:黄晶宝石"
  rect 35x50 smd: 1(-37.4,0) 2(37.4,0)
  silkscreen extent -67,-36 67,35, body extent -39,-25 39,25, height 20
"R 0805_L" [mil] "1/8W贴片电阻"
  rect 35x50 smd: 1(-37.41,0) 2(37.4,0)
  silkscreen extent -67,-36 67,36, body extent -39,-25 39,25, height 20
SEASKY3 [mil]
  silkscreen extent 2,-4 211,256
SMA(DO-214AC) [mm]
  rect 2x1.8 smd: 1(-2,0) 2(2,0)
  silkscreen extent -2.3,-1.4 2.3,1.4, body extent -2.53,-1.27 2.56,1.33, height 2.15
SMA_L4.4-W2.6-LS5.0-RD [mm]
  rect 2x1.8 smd: 1(-2,0) 2(2,0)
  silkscreen extent -2.3,-1.4 2.3,1.4, body extent -2.53,-1.27 2.56,1.33, height 2.15
SMD-3.2*4.2 [mm]
  rect 1.5x0.7 smd: 1(-2.25,1.125) 1(2.25,1.125) 2(-2.25,-1.125) 2(2.25,-1.125)
  silkscreen extent -2.1,-1.6 2.1,1.6, body extent -2.73,-1.6 2.47,1.58, height 1.8
SO-8_EP [mm]
  oval 0.7x2.2 smd: 1(-1.905,-3.023) 2(-0.635,-3.023) 3(0.635,-3.023) 4(1.905,-3.023) 5(1.905,3.023) 6(0.635,3.023) 7(-0.635,3.023) 8(-1.905,3.023)
  rect 3.4x2.5 smd: 9(0,0.051)
  silkscreen extent -2.93,-3.29 2.5,2, body extent -2.5,-2.92 2.5,3.09, height 1.9
SOD-323 [mm] "1.8x1.3X0.9mm（长宽高，不包括引脚）"
  rect 1x0.8 smd: 1(-1.4,0)
  oct 1x0.8 smd: 2(1.4,0)
  silkscreen extent -2.11,-0.76 2.11,0.76, body extent -1.34,-0.63 1.31,0.67, height 1
SOIC-8_150mil [mm]
  rect 1.473x0.65 smd: 1(0,0) 2(0,-1.27) 3(0,-2.54) 4(0,-3.81) 5(5.5,-3.81) 6(5.5,-2.54) 7(5.5,-1.27) 8(5.5,0)
  silkscreen extent 1.35,-4.34 4.2,0.58, body extent -0.3,-4.34 5.7,0.56, height 1.7
SOT23-5M [mm] "3x1.6x1.1mm(长宽高) 封装库来自淘宝卖家 ID：黄晶宝石"
  rect 0.55x1.4 smd: 1(-0.95,-1.5) 2(0,-1.5) 3(0.95,-1.5) 4(0.95,1.5) 5(-0.95,1.5)
  silkscreen extent -1.66,-1.98 1.5,0.56, body extent -1.5,-1.4 1.5,1.4, height 1.15
Type-C-TOP [mm]
  round 0.65 hole 0.65: 0(-0.98,2.89) 0(-0.98,-2.89)
  oval 1.6x1 hole 0.6 slot 1.2 at 0 deg: 1(2.52,4.325) 2(2.52,-4.325)
  oval 2.1x1 hole 0.6 slot 1.7 at 0 deg: 3(-1.48,-4.325) 4(-1.48,4.325)
  rrect50% 1.5x0.3 smd: A1(-2.52,-3.35) A4(-2.52,-2.55) A5(-2.52,-1.25) A6(-2.52,-0.25) A7(-2.52,0.25) A8(-2.52,1.25) A9(-2.52,2.55) A12(-2.52,3.35) B1(-2.52,3.05) B4(-2.52,2.25) B5(-2.52,1.75) B6(-2.52,0.75) B7(-2.52,-0.75) B8(-2.52,-1.75) B9(-2.52,-2.25) B12(-2.52,-3.05)
  silkscreen extent -0.22,-4.33 5.12,4.33, body extent -2.64,-4.48 5.26,4.46, height 3.28

## Part data
C1 C2 C3 C4 C5 C6 C7 C8 C9 C10 C11 C12 C13 C14 C15 C16 C17 C18 C19 C20 C21 C22 C23 C24 C25 C26 C27 C28 C29 C30 C31 C32 C33 C34 C35 C36 C37 C38 C39 C40 C41 C42 C43 C44 C45 C46 C47 C48 C49 C50 C51 C52 C53 C54 C55 C56 C57 C58 C59 C60 C61 C62 C63 C64 C65 C66 C67 C68 C69 C70 C71 C72 C73 C74 C75 C76 C77 C78 C79 C80 C81 C82 C83 C84 C85 C86 C87 C88 R35: library part C, "贴片电容"
D1 D2 D4: BOM_JLCPCB SMD=Yes, BOM_Manufacturer=DIODES, BOM_Manufacturer Part=B340A-13-F, BOM_Supplier=LCSC, BOM_Supplier Part=C85098, SMT Type=Extend, spicePre=D, spiceSymbolName=B340A-13-F
D3: "PESD5V0S1BA、ESD二极管、5V"
D5: library part PESD5V0S1BA, "PESD5V0S1BA、ESD二极管、5V"
F1: library part FU, "贴片保险丝"
J1: "CAN芯片"
L1 L2: library part L-SMD, "CD系列贴片线绕功率电感"
LED1 LED2: library part LED-SMD, "贴片LED"
P1 P2: library part SM05B-GHS-TB(LF)(SN), "GH Disconnectable Crimp Style Connector, Pitch 1.25 mm, 1 x 5 Position, Height 4.25 mm, -25 to 85 degC, RoHS, Tape and Reel", Manufacturer=JST, Package Description="GH Disconnectable Crimp Style Connector, Pitch 1.25 mm, 1 x 5 Position, Height 4.25 mm", Package Reference=SM05B-GHS-TB, Datasheet URL=http://www.jst-mfg.com/product/pdf/eng/eGH.pdf, Datasheet Version=05/2016, Manufacturer URL=http://www.jst.com/home2.html, Mounting Technology=SurfaceMount, No of Positions=5, Pitch=1.25mm, Style/Orientation=RightAngleHeader/Plug, Termination=Crimp, Type=WiretoBoard
P3 P4 P5: library part SM04B-GHS-TB(LF)(SN), "GH Disconnectable Crimp Style Connector, Pitch 1.25 mm, 1 x 4 Position, Height 4.25 mm, -25 to 85 degC, RoHS, Tape and Reel", Manufacturer=JST, Package Description="GH Disconnectable Crimp Style Connector, Pitch 1.25 mm, 1 x 4 Position, Height 4.25 mm", Package Reference=SM04B-GHS-TB, Datasheet URL=http://www.jst-mfg.com/product/pdf/eng/eGH.pdf, Datasheet Version=05/2016, Manufacturer URL=http://www.jst.com/home2.html, Mounting Technology=SurfaceMount, No of Positions=4, Pitch=1.25mm, Style/Orientation=RightAngleHeader/Plug, Termination=Crimp, Type=WiretoBoard
P6: library part SM06B-GHS-TB(LF)(SN), "GH Disconnectable Crimp Style Connector, Pitch 1.25 mm, 1 x 6 Position, Height 4.25 mm, -25 to 85 degC, RoHS, Tape and Reel", Manufacturer=JST, Package Description="GH Disconnectable Crimp Style Connector, Pitch 1.25 mm, 1 x 6 Position, Height 4.25 mm", Package Reference=SM06B-GHS-TB, Datasheet URL=http://www.jst-mfg.com/product/pdf/eng/eGH.pdf, Datasheet Version=05/2016, Manufacturer URL=http://www.jst.com/home2.html, Mounting Technology=SurfaceMount, No of Positions=6, Pitch=1.25mm, Style/Orientation=RightAngleHeader/Plug, Termination=Crimp, Type=WiretoBoard
P7: library part BM06B-GHS-TBT(LF)(SN), "GH Disconnectable Crimp Style Connector, Pitch 1.25 mm, 1 x 6 Position, Height 4.05 mm, -25 to 85 degC, RoHS, Tape and Reel", Manufacturer=JST, Package Description="GH Disconnectable Crimp Style Connector, Pitch 1.25 mm, 1 x 6 Position, Height 4.05 mm", Package Reference=BM06B-GHS-TBT, Datasheet URL=http://www.jst-mfg.com/product/pdf/eng/eGH.pdf, Datasheet Version=05/2016, Manufacturer URL=http://www.jst.com/home2.html, Mounting Technology=SurfaceMount, No of Positions=6, Pitch=1.25mm, Style/Orientation=StraightHeader/Plug, Termination=Crimp, Type=WiretoBoard
P8 P9: library part SM03B-GHS-TB(LF)(SN), "GH Disconnectable Crimp Style Connector, Pitch 1.25 mm, 1 x 3 Position, Height 4.25 mm, -25 to 85 degC, RoHS, Tape and Reel", Manufacturer=JST, Package Description="GH Disconnectable Crimp Style Connector, Pitch 1.25 mm, 1 x 3 Position, Height 4.25 mm", Package Reference=SM03B-GHS-TB, Datasheet URL=http://www.jst-mfg.com/product/pdf/eng/eGH.pdf, Datasheet Version=05/2016, Manufacturer URL=http://www.jst.com/home2.html, Mounting Technology=SurfaceMount, No of Positions=3, Pitch=1.25mm, Style/Orientation=RightAngleHeader/Plug, Termination=Crimp, Type=WiretoBoard
Q1 Q2 Q3 Q4 Q5 Q6 Q7 Q8 Q9 Q10 Q11 Q12 Q13 Q14: library part BSC037N08NS5ATMA1
R1 R2 R3 R4 R5 R6 R7 R8 R9 R10 R11 R12 R13 R14 R15 R16 R17 R18 R19 R20 R21 R22 R23 R24 R25 R26 R27 R29 R30 R31 R32 R33 R34 R36 R37 R38 R39 R40 R41 R44 R45 R46 R47 R49 R50 R51 R52 R53 R54 R55 R56 R57 R58 R59 R60 R63 R64 R65 R68 R69: library part R, "贴片电阻"
R28 R48 R66: library part RT, "热敏电阻"
R42 R43 R61 R62: library part R-Precision, "精密贴片电阻"
SP1 SP2: library part 固定焊盘, "铜柱"
TVS1: library part SMAJ28CA
U4 U5: BOM_JLCPCB SMD=Yes, BOM_Manufacturer="Texas Instruments", BOM_Manufacturer Part=DRV8301DCAR, BOM_Supplier=LCSC, BOM_Supplier Part=C98969, Contributor=LCSC, SMT Type=Extend, spicePre=U, spiceSymbolName=DRV8301DCAR
X1: library part XTAL-4P, "4脚无源晶振"

## Via types
v1: diameter 18, hole 10, Top Layer to Bottom Layer, tented both sides, 692 vias

## Nets (pads, with @x,y where several pads share a name; then routed paths per layer and width w, separated by ;. In a path a pad name is that pad's centre, name@x,y a point inside that pad or via, vN(x,y) a via of type N, cw(c..) or ccw(c..) an arc to the next point about the centre after c; other vN are vias at no path point)
AGND: C14.2 C45.2 C57.1 C58.1 C68.2 C80.1 C81.1 C82.1 C88.2 R15.2 R16.1 R30.1 R35.1 R50.1 R69.1 U4.28 U5.28 | length 6629.2
  Top Layer w6: U4.28@1276.25,1683.64 1276.25,1692.13 1273.34,1695.03 1264.86,1695.03 v1(1244,1715.89) 1244,1764.65 C58.1@1295.94,1816.59 ; C45.2@2140.52,1271.26 2140.52,1213.08 2152.91,1200.68 2181.32,1200.68 v1(2201,1181) v1(2227,1181) ; v1(2498,1181) 2505.12,1181 2510.4,1186.28 R69.1@2510.4,1201.26 2498.59,1213.08 C88.2@2498.59,1271.26 ; U5.28@2870.25,1683.64 2870.25,1708.25 2852,1726.5 v1(2852,1793) 2869.45,1810.45 2883.8,1810.45 C82.1@2889.94,1816.59 ; R15.2@3682,1330 C14.2@3737,1330 ; C68.2@3734.52,1271.26 C68.2@3737,1268.77 ; v1(3778,1249) 3778.7,1248.3 v1(3778.7,1207.83) ; C68.2@3737,1268.77 C14.2@3737,1330 ; C68.2@3737,1268.77 3746.33,1259.44 R50.1@3746.33,1201.26 3749.39,1204.32 3775.18,1204.32 v1@3777.85,1206.98 ; C14.2@3737,1330 3738,1331 v1(3777,1331) 3777.85,1330.15 v1@3777.85,1208.68 ; v1@3777.85,1206.98 v1@3777.85,1208.68 ; v1@3777.85,1206.98 v1(3778.7,1207.83) ; v1@3777.85,1208.68 v1(3778.7,1207.83)
  GND w12: v1(2201,1181) v1(2227,1181) 2354,1181 2417,1244 2461,1244 v1(2498,1207) ; v1(2218.3,1722) 2218.8,1722.5 2245.5,1722.5 v1(2246,1723) ; v1(2246,1749.7) v1(2246,1723) ; v1(2498,1181) v1(2498,1207) ; v1(2858,1979) 2856.85,1977.85 2856.85,1973.61 2856,1972.76 2856,1798.62 2852,1794.62 v1(2852,1793) 2816,1829 2662,1829 ; v1(2246,1723) 2308,1723 2414,1829 2662,1829 ; v1(2498,1207) 2498,1252 2662,1416 2662,1829
  PWR w6: v1(3777,1331) v1@3777.85,1330.15 ; v1@3777.85,1208.68 v1(3778.7,1207.83)
  Bottom Layer w6: v1(2218.3,1722) 2245,1722 v1(2246,1723) v1(2246,1749.7) 2246,1759.4 2268.32,1781.72 2284.89,1781.72 2291.43,1775.18 R35.1@2400,1775.18 ; R35.1@2400,1775.18 2426,1749.18 2426,1743.56 ; R35.1@2400,1775.18 2400,1753.51 2403.51,1750 2419.56,1750 2426,1743.56 ; 2426,1645.44 2426,1639.82 C57.1@2400,1613.82 2400,1635.49 2403.51,1639 2419.56,1639 2426,1645.44 ; 2426,1645.44 2426,1694.5 ; 2426,1645.44 2426,1694.5 ; 2426,1694.5 2426,1743.56
  Bottom Layer w12: C81.1@2622,1654.15 2579.85,1654.15 2542,1692 2542,1766 2590.84,1814.84 C80.1@2622,1814.84 2720.85,1814.84 2735.01,1829 2816,1829 v1(2852,1793)
  Bottom Layer w24: v1(1244,1715.89) 1255.89,1704 1420,1704 1507,1791 2049,1791 2068,1772 2158,1772 2180.3,1749.7 v1(2246,1749.7) ; v1(2858,1979) 2944,1893 3471,1893 3535,1829 3535,1734.46 3662.02,1607.45 3701.05,1607.45 3778.7,1529.8 v1(3778.7,1207.83)
AUX_H_1: R10.1 R63.2 U1.30 U6.5 | length 1069
  Top Layer w6: R10.1@2204.33,2008.96 2188.43,1993.06 U1.30@2188.43,1915.91 2188.43,1851.57 2199,1841 v1(2229.5,1841)
  GND w6: v1(2229.5,1841) 2228,1839.5 2228,1760 2130,1662 2130,1534 2158,1506 2158,1412.27 2190.27,1380 2220,1380 2339.04,1260.96 v1(2339.04,1246)
  Bottom Layer w6: R63.2@2286.59,1225 2307.58,1246 v1(2339.04,1246) 2360.54,1224.5 U6.5@2388.31,1224.5
AUX_L_1: R11.1 R64.2 U1.29 U6.6 | length 1008.7
  Top Layer w6: v1(2209.5,1865.5) 2207.96,1867.04 2207.96,1915.74 U1.29@2208.12,1915.91 2208.12,1956.09 R11.1@2261,2008.96
  GND w6: v1(2209.5,1865.5) 2209.5,1761.5 2116,1668 2116,1527 2144,1499 2144,1406.47 2184.47,1366 2214.2,1366 2299,1281.2 v1(2299,1269)
  Bottom Layer w6: R64.2@2286.59,1285 2299,1272.59 v1(2299,1269) 2344,1269 2345.72,1270.72 2347.45,1269 2352.95,1274.5 U6.6@2388.31,1274.5
AUX_TEMP_1: C88.1 R66.1 R69.2 U1.21 | length 1077.6
  Top Layer w6: v1(2358,1973) 2358,1971.28 2365.8,1963.48 2365.8,1916.11 U1.21@2365.6,1915.91
  Top Layer w8: R66.1@2370.4,1201.26 R69.2@2435.6,1201.26 2435.6,1259.45 C88.1@2447.41,1271.26
  Bottom Layer w6: v1(2358,1973) 2358,1971.28 2521,1808.28 2521,1544 2445,1468 2445,1200.51 v1(2441,1196.51)